# Altium PCB PCB1.PcbDoc (part 2 of 3) (continued)
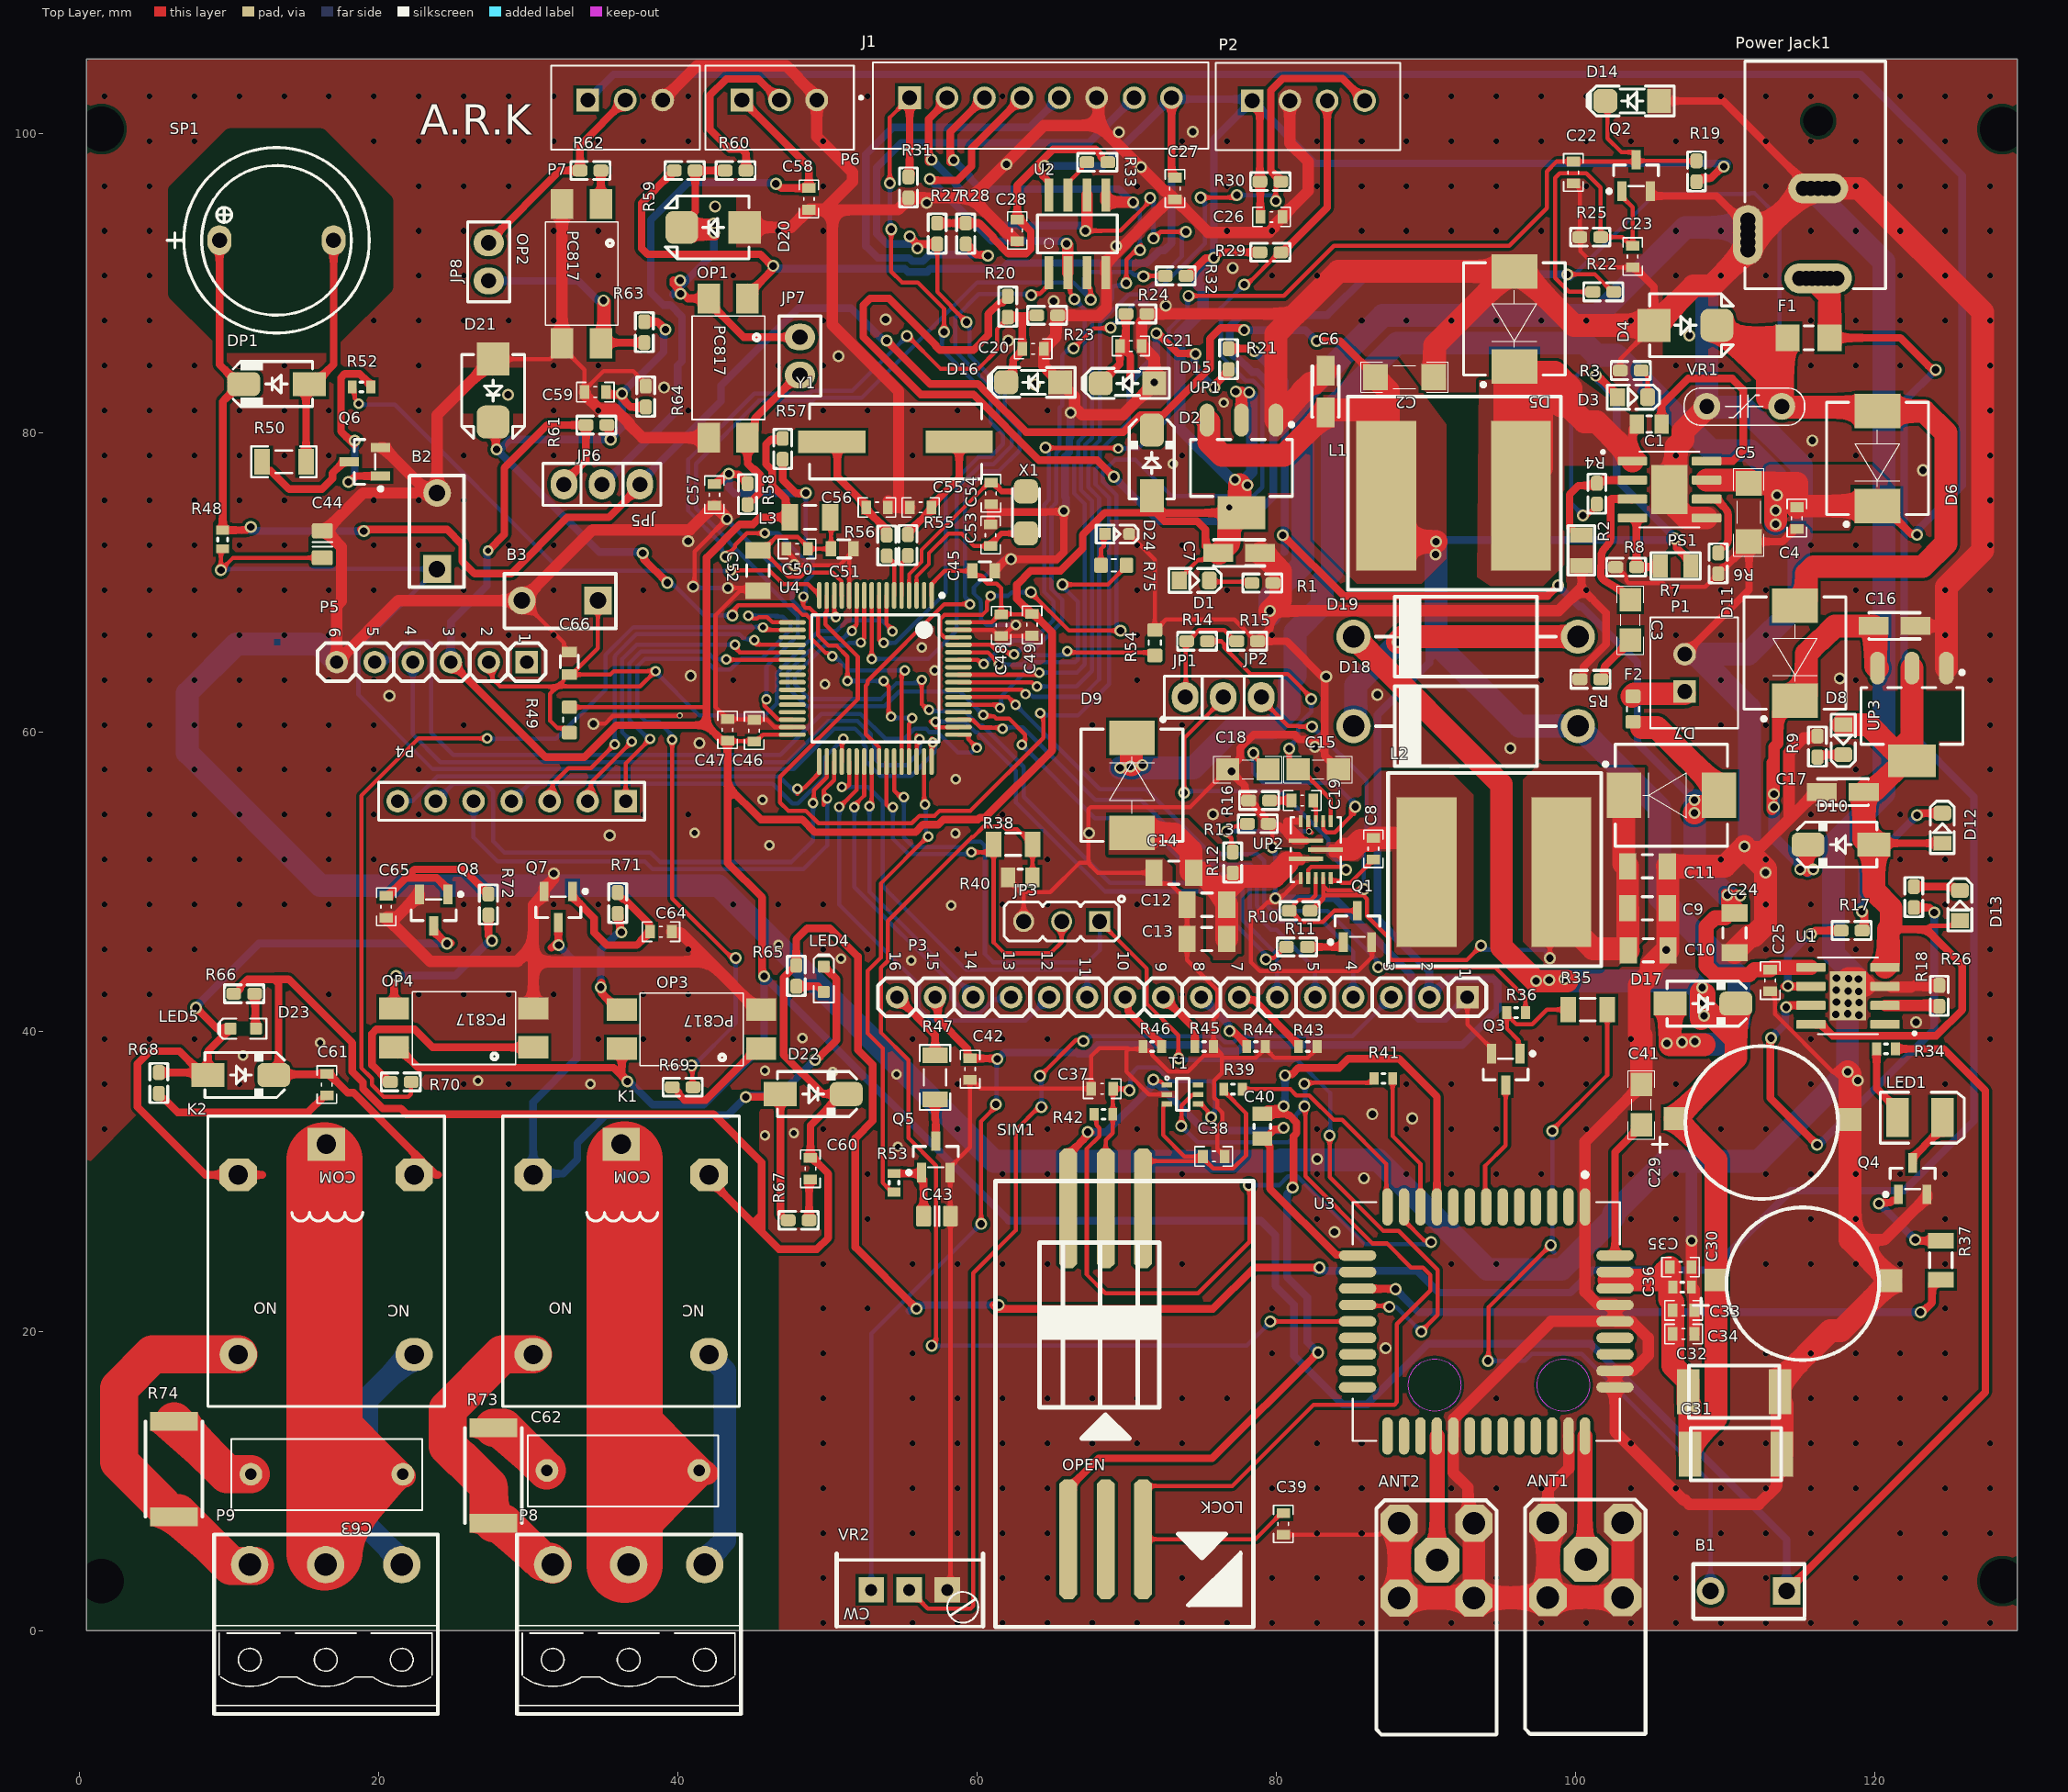
[diagram p0: Top Layer view]
## Nets (pads, with @x,y where several pads share a name; then routed paths per layer and width w, separated by ;. In a path a pad name is that pad's centre, name@x,y a point inside that pad or via, vN(x,y) a via of type N, cw(c..) or ccw(c..) an arc to the next point about the centre after c; other vN are vias at no path point) (continued)
  Top Layer w0.508: C53.1@60.909,73.902 60.922,73.915 60.922,74.574 ; C54.1@60.922,75.234 60.922,74.574 ; C45.1@61.177,70.79 v2@62.116,71.729 ; v2(62.276,71.569) 65.346,71.569 65.803,72.026 v2(65.803,74.799) 65.747,74.743 64.735,74.743 ; 64.618,74.727 61.074,74.727 60.922,74.574 ; R15.1@78.754,66.091 80.696,66.091 83.236,63.551 83.236,58.776 ; R15.1@79,66.337 79.562,66.898 v2(79.562,68.128) ; R13.1@79.465,53.899 79.365,53.899 79.219,54.045 79.219,54.357 78.599,54.977 78.599,55.102 78.253,55.448 R16.2@78.153,55.448 78.053,55.448 77.907,55.594 77.907,56.43 76.805,57.531 C18.1@76.755,57.531 77.226,58.002 77.29,58.002 77.588,58.3 77.588,58.949 78.481,59.842 81.238,59.842 81.548,59.532 82.479,59.532 83.236,58.776 ; R13.1@79.622,53.753 80.207,53.753 81.084,52.876 81.084,52.868 81.186,52.767 UP2.7@81.986,52.767 ; 80.708,53.892 UP2.7@81.694,52.906 ; 80.708,54.067 81.407,54.067 ; C15.1@84.154,57.531 84.104,57.531 83.633,58.002 83.633,58.052 83.236,58.449 83.236,58.776 ; R5.2@100.29,63.551 100.39,63.551 100.536,63.697 100.536,64.392 102.032,65.888 102.032,67.996 100.381,69.647 R2.2@100.381,71.145 ; C23.1@103.81,91.071 103.935,91.071 105.24,89.765 D4.1@105.24,87.198 ; Q2.2@104.988,96.156 104.988,95.877 105.034,95.831 109.412,95.831 111.505,93.738 ; D14.1@105.584,102.184 109.859,102.184 115.705,96.338 ; P1.2@107.29,65.227 111.582,69.52 C5.1@111.582,72.751 ; R6.2@109.525,70.598 109.525,70.698 109.871,71.044 109.996,71.044 110.961,72.009 110.961,72.18 111.532,72.751 C5.1@111.582,72.751 ; C4.1@114.783,73.595 114.658,73.595 113.814,72.751 C5.1@111.582,72.751 ; U1.9@119.069,42.883 U1.3@119.838,42.883 ; U1.3@119.99,43.035 U1.3@120.675,43.035 U1.3@121.107,43.035
  Top Layer w0.762: C44.1@16.256,73.468 C44.1@16.456,73.468 ; Q6.2@20.151,79.025 20.339,79.025 B2.2@23.159,76.205 ; Q8.2@22.748,49.183 22.748,48.995 22.667,48.914 22.479,48.914 21.246,47.681 20.579,47.681 C65.1@20.523,47.625 20.536,47.625 23.457,44.704 29.288,44.704 30.355,45.771 ; D21.1@27.673,84.939 23.927,81.193 B2.2@23.927,75.997 18.985,75.997 C44.1@16.456,73.468 ; OP4.2@30.355,41.559 30.355,44.679 ; v2(31.722,50.578) 31.715,50.571 31.715,50.21 31.079,49.574 Q7.2@31.079,49.386 31.079,49.198 30.355,48.474 30.355,45.771 ; OP2.3@32.273,85.989 OP2.2@32.273,95.289 ; C59.1@33.773,82.739 33.829,82.683 33.829,82.536 34.773,81.592 35.824,81.592 36.768,80.648 36.768,80.561 37.64,79.689 OP1.3@42.073,79.689 ; P7.3@39,102.246 41.275,104.521 47.269,104.521 48.08,103.711 48.08,103.668 49.3,102.448 P6.3@49.3,102.246 49.3,99.798 51.678,97.42 51.678,96.789 49.86,94.97 48.816,94.97 47.585,93.739 D20.1@44.473,93.739 ; C64.1@39.612,46.685 39.612,46.672 39.668,46.616 40.186,46.616 42.124,44.679 ; v2(43.286,74.258) 43.279,74.266 43.279,74.34 42.467,75.152 C57.1@42.454,75.152 42.441,75.152 40.821,73.533 34.315,73.533 B3.2@29.591,68.809 21.336,68.809 P5.6@17.221,64.694 17.221,68.456 17.537,68.772 17.537,72.387 C44.1@16.456,73.468 ; OP3.2@45.569,41.483 45.319,41.483 42.124,44.679 ; C58.1@48.773,94.914 50.343,94.914 ; C56.1@54.077,75.463 54.508,75.032 C55.1@55.511,75.032 ; 54.762,75.463 54.762,82.804 50.343,87.224 50.343,94.914 ; C28.1@62.688,92.814 62.675,92.814 62.131,93.358 61.997,93.358 59.642,95.713 ; J1.6@68,102.4 68.143,102.257 68.143,100.552 ; v2(79.562,68.128) 98.862,68.128 100.381,69.647 ; P2.2@80.9,102.2 80.9,99.364 82.144,98.12 82.144,96.19 80.404,94.45 C26.1@80.404,94.437 80.404,94.424 79.86,93.88 79.86,93.747 79.519,93.406 75.448,93.406 73.241,95.613 C27.1@73.228,95.613 ; 81.471,88.125 81.309,87.964 R24.2@71.353,87.964 71.253,87.964 71.234,87.945 71.234,87.638 71.003,87.407 C21.1@71.003,85.814 71.003,85.801 71.059,85.745 71.072,85.745 71.853,84.964 D15.1@71.853,83.314 69.769,81.229 67.005,81.229 66.512,81.723 66.512,82.43 D16.1@65.554,83.388 64.479,84.463 C20.1@64.479,85.623 64.479,85.636 65.275,86.432 65.275,87.84 65.294,87.859 R23.2@65.394,87.859 68.123,87.859 68.656,88.392 68.656,90.664 U2.4@68.616,90.704 68.616,91.342 72.83,95.557 73.172,95.557 C27.1@73.228,95.613 ; ANT2.1@93.205,7.166 92.808,7.563 92.808,9.559 91.831,10.537 U3.27@91.831,13 91.862,13.031 91.862,14.148 98.364,20.65 U3.40@102.631,20.65 ; ANT1.1@98.149,7.21 98.149,9.427 99.542,10.82 99.542,12.989 U3.34@99.531,13 ; C41.2@104.394,36.478 104.394,36.428 100.631,32.665 U3.1@100.631,28.3 100.631,22.634 101.483,21.781 102.6,21.781 U3.41@102.631,21.75 U3.40@102.631,20.65 ; v2@107.721,25.793 107.735,25.779 C35.1@107.735,24.282 ; C35.1@107.735,24.282 C36.2@107.734,22.936 107.771,22.936 107.938,22.769 C33.1@107.938,21.387 C34.1@107.938,19.812 ; v2(111.274,52.373) 111.281,52.381 112.43,52.381 114.403,54.354 ; C31.-@113.789,11.784 113.42,11.415 113.42,9.61 112.243,8.433 107.594,8.433 107.3,8.727 107.199,8.727 102.631,13.295 U3.36@102.631,16.25 U3.37@102.631,17.35 102.662,17.381 103.854,17.381 104.851,18.379 104.851,19.546 103.778,20.619 102.662,20.619 U3.40@102.631,20.65 ; R9.2@116.154,59.755 116.154,59.655 116.135,59.636 115.237,59.636 114.275,58.674 114.275,54.483 114.403,54.354 ; C17.1@116.456,56.007 116.056,56.007 114.403,54.354 ; 118.333,26.111 120.635,26.111 123.469,28.946 Q4.2@123.469,29.134 ; U1.3@121.107,42.981 122.403,42.981 ; C16.1@122.71,67.107 124.678,67.107 124.77,67.014 ; 122.776,43.1 R26.1@124.3,43.1 ; 30.355,44.679 42.124,44.679 ; 30.355,44.679 30.355,45.771 ; 50.343,94.914 54.724,94.914 55.423,95.613 R31.1@55.423,95.713 59.642,95.713 ; 59.642,95.713 64.481,100.552 68.143,100.552 ; 68.143,100.552 72.538,96.157 72.671,96.157 73.215,95.613 C27.1@73.228,95.613
  Top Layer w1.524: C7.1@78.921,71.984 78.997,71.984 79.327,71.653 79.397,71.653 80.289,70.761 80.289,68.855 v2(79.562,68.128) ; UP1.1@79.969,80.865 UP1.1@79.969,80.941 ; 81.309,87.964 79.969,86.624 UP1.1@79.969,80.941 ; 81.471,88.125 84.15,90.805 D5.1@95.535,90.805 ; C6.1@83.285,84.169 83.285,84.093 82.523,83.331 82.286,83.331 81.723,82.767 81.723,82.695 UP1.1@79.969,80.941 ; ANT2.1@88.205,7.166 ANT2.1@88.205,2.166 ANT2.1@93.205,2.166 ANT2.1@93.207,2.168 ; C2.1@90.52,83.744 90.583,83.807 90.583,85.852 D5.1@95.535,90.805 ; ANT2.1@93.205,7.166 93.207,7.164 ANT2.1@93.207,2.168 ; ANT1.1@98.149,7.21 ANT1.1@98.149,2.21 ; ANT1.1@103.149,7.21 103.151,7.208 103.151,2.212 ANT1.1@103.149,2.21 ANT1.1@98.149,2.21 ; C41.2@104.394,36.478 104.394,39.714 104.247,39.861 104.247,43.083 105.063,43.899 105.063,44.402 106.102,45.441 C10.1@106.176,45.441 106.151,45.466 106.151,51.029 C11.1@106.125,51.054 109.954,51.054 v2(111.274,52.373) 111.274,52.295 112.686,50.883 v2(112.686,50.636) 112.686,47.193 111.89,46.397 111.656,46.397 110.617,45.358 C24.1@110.617,45.284 ; VR1.1@108.717,81.727 VR1.1@108.77,81.779 108.77,81.705 107.177,80.112 107.177,79.546 106.717,79.085 106.717,77.113 106.184,76.581 105.918,76.581 PS1.9@106.274,76.225 106.717,75.782 106.717,75.021 107.409,74.328 108.741,74.328 PS1.5@108.749,74.32 ; 111.505,93.238 111.505,92.738 ; 111.752,92.95 111.505,92.738 ; 112.246,93.373 115.417,96.091 115.705,96.338 116.705,96.338 118.952,96.338 127.203,88.087 127.203,72.161 124.77,69.728 124.77,67.014 UP3.1@124.77,64.3 ; C31.-@113.789,11.784 113.789,15.097 113.662,15.224 C32.-@113.662,15.95 113.662,16.676 117.014,20.028 117.736,20.028 C30.-@121.077,23.368 118.333,26.111 C29.-@118.333,34.138 118.333,37.178 v2(118.19,37.322) ; v4(118.237,43.561) 118.817,43.561 U1.9@118.873,43.506 ; U1.9@119.089,43.289 U1.9@119.282,43.097 ; ANT2.1@93.207,2.168 93.227,2.188 98.128,2.188 ANT1.1@98.149,2.21 ; D5.1@95.535,90.805 D5.1@95.91,90.805 96.285,90.805 99.892,87.198 D4.1@105.24,87.198 107.884,89.842 109.109,89.842 111.505,92.238 111.505,92.738
  Bottom Layer w0.279: v2(41.036,69.732) 41.121,69.647 v2@43.282,69.647 ; v2@43.307,74.168 46.304,71.171 v2(47.803,71.171) ; v2(62.276,71.569) 61.663,71.569 59.792,69.698 59.792,69.283 60.249,68.825 60.249,68.68 60.261,68.669 60.261,67.552 60.63,67.183 62.4,67.183 v3@62.404,67.187 ; v2(79.93,48.917) v2@79.93,52.15
  Bottom Layer w0.508: v2@65.811,74.803 65.811,74.886 65.951,75.026 65.951,75.672 65.887,75.737 65.887,78.43 66.167,78.711 66.167,79.663 66.255,79.751 v2(66.255,81.372) ; v2(79.93,48.917) 83.9,48.917 89.002,43.815 89.002,41.377 89.51,40.869 91.313,40.869 P3.1@92.761,42.316
  Bottom Layer w0.762: 107.594,31.344 107.747,31.191 v2(107.747,26.035)
  Bottom Layer w1.524: P5.6@17.221,64.694 16.002,65.913 10.516,65.913 7.239,62.636 7.239,58.649 16.129,49.759 42.723,49.759 61.138,31.344 80.229,31.344 80.327,31.442 86.789,31.442 94.111,24.121 99.059,24.121 102.536,27.598 102.536,27.866 106.013,31.344 107.594,31.344 112.212,31.344 v2@118.184,37.315 ; v2@79.562,67.843 v2(79.562,68.128) 79.562,69.02 81.79,71.248 81.79,82.526 87.119,87.855 101.444,87.855 107.327,93.738 111.505,93.738 ; P1.2@107.29,65.227 P1.2@108.026,65.227 ; 111.505,92.738 111.505,92.238 108.77,89.503 VR1.1@108.77,81.779 108.823,81.727 111.19,81.727 115.095,77.821 115.095,73.189 114.91,73.003 114.91,68.605 111.531,65.227 P1.2@108.026,65.227 ; v2@111.608,52.373 111.608,61.646 P1.2@108.026,65.227 ; 115.705,96.338 120.599,91.444 120.599,55.931 117.236,52.568 117.236,45.184 v4(118.904,43.516) ; v4@118.161,41.911 118.161,37.338 v2@118.184,37.315 ; v4@118.161,41.987 v4@118.161,43.561 ; v2(118.19,37.322) v2@118.184,37.315
  other v1: 49.705,0.505 52.705,0.505 55.705,0.505 58.705,0.505 61.705,0.505 64.705,0.505 67.705,0.505 70.705,0.505 73.705,0.505 76.705,0.505 79.705,0.505 82.705,0.505 85.705,0.505 88.705,0.505 91.705,0.505 94.705,0.505 97.705,0.505 100.705,0.505 103.705,0.505 106.705,0.505 109.705,0.505 112.705,0.505 115.705,0.505 118.705,0.505 121.705,0.505 124.705,0.505 127.705,0.505 49.705,3.505 61.705,3.505 64.705,3.505 73.705,3.505 76.705,3.505 79.705,3.505 82.705,3.505 85.705,3.505 94.705,3.505 106.705,3.505 112.705,3.505 118.705,3.505 121.705,3.505 124.705,3.505 49.705,6.505 55.705,6.505 58.705,6.505 61.705,6.505 64.705,6.505 82.705,6.505 85.705,6.505 106.705,6.505 109.705,6.505 112.705,6.505 115.705,6.505 121.705,6.505 124.705,6.505 127.705,6.505 49.705,9.505 55.705,9.505 58.705,9.505 61.705,9.505 64.705,9.505 79.705,9.505 82.705,9.505 85.705,9.505 88.705,9.505 91.705,9.505 94.705,9.505 97.705,9.505 103.705,9.505 106.705,9.505 109.705,9.505 112.705,9.505 115.705,9.505 118.705,9.505 124.705,9.505 127.705,9.505 49.705,12.505 55.705,12.505 58.705,12.505 61.705,12.505 64.705,12.505 67.705,12.505 70.705,12.505 73.705,12.505 82.705,12.505 85.705,12.505 103.705,12.505 109.705,12.505 112.705,12.505 115.705,12.505 118.705,12.505 121.705,12.505 127.705,12.505 49.705,15.505 55.705,15.505 58.705,15.505 61.705,15.505 64.705,15.505 67.705,15.505 70.705,15.505 73.705,15.505 76.705,15.505 94.705,15.505 115.705,15.505 118.705,15.505 121.705,15.505 124.705,15.505 49.705,18.505 55.705,18.505 79.705,18.505 112.705,18.505 115.705,18.505 118.705,18.505 121.705,18.505 124.705,18.505 49.705,21.505 52.705,21.505 79.705,21.505 124.705,21.505 49.705,24.505 55.705,24.505 58.705,24.505 61.705,24.505 64.705,24.505 73.705,24.505 91.705,24.505 94.705,24.505 112.705,24.505 115.705,24.505 118.705,24.505 121.705,24.505 124.705,24.505 52.705,27.505 82.705,27.505 103.705,27.505 106.705,27.505 115.705,27.505 118.705,27.505 124.705,27.505 52.705,30.505 61.705,30.505 64.705,30.505 73.705,30.505 82.705,30.505 88.705,30.505 91.705,30.505 94.705,30.505 97.705,30.505 100.705,30.505 103.705,30.505 106.705,30.505 112.705,30.505 115.705,30.505 118.705,30.505 121.705,30.505 124.705,30.505 1.705,33.505 49.705,33.505 58.705,33.505 61.705,33.505 64.705,33.505 70.705,33.505 82.705,33.505 88.705,33.505 91.705,33.505 94.705,33.505 100.705,33.505 109.705,33.505 112.705,33.505 1.705,36.505 10.705,36.505 25.705,36.505 28.705,36.505 58.705,36.505 88.705,36.505 91.705,36.505 97.705,36.505 100.705,36.505 106.705,36.505 115.705,36.505 121.705,36.505 124.705,36.505 1.705,39.505 4.705,39.505 7.705,39.505 34.705,39.505 37.705,39.505 40.705,39.505 43.705,39.505 55.705,39.505 61.705,39.505 64.705,39.505 97.705,39.505 100.705,39.505 103.705,39.505 115.705,39.505 127.705,39.505 1.705,42.505 4.705,42.505 16.705,42.505 22.705,42.505 25.705,42.505 28.705,42.505 31.705,42.505 37.705,42.505 40.705,42.505 73.705,42.505 127.705,42.505 1.705,45.505 4.705,45.505 7.705,45.505 25.705,45.505 28.705,45.505 40.705,45.505 49.705,45.505 52.705,45.505 58.705,45.505 112.705,45.505 115.705,45.505 118.705,45.505 127.705,45.505 1.705,48.505 4.705,48.505 7.705,48.505 10.705,48.505 13.705,48.505 16.705,48.505 25.705,48.505 28.705,48.505 31.705,48.505 34.705,48.505 43.705,48.505 46.705,48.505 49.705,48.505 61.705,48.505 64.705,48.505 70.705,48.505 112.705,48.505 115.705,48.505 124.705,48.505 127.705,48.505 1.705,51.505 4.705,51.505 7.705,51.505 10.705,51.505 13.705,51.505 16.705,51.505 19.705,51.505 64.705,51.505 109.705,51.505 112.705,51.505 121.705,51.505 124.705,51.505 127.705,51.505 1.705,54.505 4.705,54.505 7.705,54.505 10.705,54.505 13.705,54.505 16.705,54.505 19.705,54.505 22.705,54.505 37.705,54.505 40.705,54.505 61.705,54.505 76.705,54.505 115.705,54.505 121.705,54.505 127.705,54.505 1.705,57.505 4.705,57.505 7.705,57.505 10.705,57.505 13.705,57.505 16.705,57.505 19.705,57.505 22.705,57.505 67.705,57.505 82.705,57.505 118.705,57.505 127.705,57.505 1.705,60.505 4.705,60.505 7.705,60.505 10.705,60.505 13.705,60.505 16.705,60.505 19.705,60.505 25.705,60.505 67.705,60.505 73.705,60.505 88.705,60.505 109.705,60.505 112.705,60.505 127.705,60.505 1.705,63.505 4.705,63.505 7.705,63.505 10.705,63.505 13.705,63.505 16.705,63.505 19.705,63.505 43.705,63.505 70.705,63.505 97.705,63.505 109.705,63.505 112.705,63.505 118.705,63.505 127.705,63.505 1.705,66.505 4.705,66.505 7.705,66.505 10.705,66.505 13.705,66.505 16.705,66.505 25.705,66.505 28.705,66.505 31.705,66.505 70.705,66.505 79.705,66.505 106.705,66.505 109.705,66.505 112.705,66.505 124.705,66.505 127.705,66.505 1.705,69.505 4.705,69.505 7.705,69.505 10.705,69.505 13.705,69.505 16.705,69.505 19.705,69.505 25.705,69.505 31.705,69.505 37.705,69.505 70.705,69.505 76.705,69.505 100.705,69.505 106.705,69.505 109.705,69.505 112.705,69.505 118.705,69.505 124.705,69.505 127.705,69.505 1.705,72.505 4.705,72.505 7.705,72.505 10.705,72.505 13.705,72.505 19.705,72.505 22.705,72.505 28.705,72.505 31.705,72.505 52.705,72.505 70.705,72.505 73.705,72.505 115.705,72.505 118.705,72.505 127.705,72.505 1.705,75.505 4.705,75.505 7.705,75.505 10.705,75.505 13.705,75.505 16.705,75.505 19.705,75.505 22.705,75.505 25.705,75.505 127.705,75.505 1.705,78.505 4.705,78.505 7.705,78.505 10.705,78.505 13.705,78.505 16.705,78.505 22.705,78.505 25.705,78.505 31.705,78.505 34.705,78.505 55.705,78.505 73.705,78.505 106.705,78.505 115.705,78.505 118.705,78.505 127.705,78.505 1.705,81.505 4.705,81.505 7.705,81.505 10.705,81.505 13.705,81.505 16.705,81.505 22.705,81.505 31.705,81.505 34.705,81.505 40.705,81.505 46.705,81.505 49.705,81.505 52.705,81.505 55.705,81.505 58.705,81.505 64.705,81.505 127.705,81.505 1.705,84.505 4.705,84.505 7.705,84.505 10.705,84.505 13.705,84.505 19.705,84.505 22.705,84.505 31.705,84.505 34.705,84.505 46.705,84.505 49.705,84.505 106.705,84.505 109.705,84.505 115.705,84.505 118.705,84.505 121.705,84.505 127.705,84.505 1.705,87.505 4.705,87.505 19.705,87.505 22.705,87.505 25.705,87.505 28.705,87.505 31.705,87.505 49.705,87.505 85.705,87.505 88.705,87.505 91.705,87.505 94.705,87.505 97.705,87.505 100.705,87.505 103.705,87.505 115.705,87.505 118.705,87.505 121.705,87.505 124.705,87.505 127.705,87.505 1.705,90.505 4.705,90.505 22.705,90.505 25.705,90.505 34.705,90.505 43.705,90.505 79.705,90.505 82.705,90.505 106.705,90.505 109.705,90.505 112.705,90.505 121.705,90.505 124.705,90.505 127.705,90.505 1.705,93.505 4.705,93.505 22.705,93.505 25.705,93.505 31.705,93.505 34.705,93.505 46.705,93.505 49.705,93.505 76.705,93.505 79.705,93.505 85.705,93.505 88.705,93.505 91.705,93.505 94.705,93.505 97.705,93.505 106.705,93.505 109.705,93.505 115.705,93.505 118.705,93.505 121.705,93.505 124.705,93.505 127.705,93.505 1.705,96.505 4.705,96.505 22.705,96.505 25.705,96.505 28.705,96.505 37.705,96.505 49.705,96.505 70.705,96.505 76.705,96.505 82.705,96.505 85.705,96.505 88.705,96.505 91.705,96.505 94.705,96.505 100.705,96.505 112.705,96.505 118.705,96.505 121.705,96.505 124.705,96.505 127.705,96.505 4.705,99.505 7.705,99.505 19.705,99.505 22.705,99.505 25.705,99.505 28.705,99.505 31.705,99.505 34.705,99.505 37.705,99.505 40.705,99.505 49.705,99.505 73.705,99.505 76.705,99.505 82.705,99.505 85.705,99.505 88.705,99.505 91.705,99.505 94.705,99.505 97.705,99.505 100.705,99.505 103.705,99.505 106.705,99.505 109.705,99.505 112.705,99.505 115.705,99.505 118.705,99.505 121.705,99.505 124.705,99.505 1.705,102.505 4.705,102.505 7.705,102.505 10.705,102.505 13.705,102.505 16.705,102.505 19.705,102.505 22.705,102.505 25.705,102.505 28.705,102.505 31.705,102.505 37.705,102.505 40.705,102.505 52.705,102.505 61.705,102.505 88.705,102.505 91.705,102.505 94.705,102.505 97.705,102.505 100.705,102.505 109.705,102.505 112.705,102.505 115.705,102.505 118.705,102.505 121.705,102.505 124.705,102.505 127.705,102.505
  other v2: 87.314,18.857 83.884,26.619 85.865,30.226 82.741,31.496 89.091,34.213 86.424,34.493 118.851,36.737 122.74,40.628 106.054,45.471 35.46,53.11 67.492,53.27 75.772,54.54 77.012,57.4 88.802,58.883 95.639,58.951 82.581,59.046 41.455,59.283 20.739,62.443 86.759,62.517 117.647,63.614 83.329,63.723 40.871,63.778 40.704,72.78 123.211,77.513 115.828,79.504 28.662,82.551 39.097,83.036 63.873,83.244 71.851,83.389 50.75,85.131 62.095,86.165 107.601,86.525 53.891,87.587 72.623,88.506 65.118,88.806 77.079,91.035 69.297,92.503 42.51,95.141 56.647,95.371 70.963,97.774 61.961,97.957 69.482,100.108 74.412,100.129
  other v3: 54.704,32.326 45.839,33.088 47.77,33.24 34.183,36.502 26.649,36.738 54.628,37.152 50.36,37.304 45.839,37.406 10.967,38.407 16.098,39.27 48.328,39.59 55.611,44.772 50.919,44.874 46.73,45.798 58.278,48.43 46.132,52.459 58.565,53.256 41.14,53.281 45.679,55.499 58.59,56.888 49.852,63.23 57.169,64.144 56.314,65.685 73.09,77.946 76.494,82.035
  other v4: 118.929,41.118 117.379,41.168 118.178,41.207 118.216,41.911 118.948,41.961 117.431,41.987 118.919,42.695 118.214,42.724 117.405,42.774 117.424,43.586
  other v5: 40.146,61.133
I2C_SCL: P2.4 R30.1 U4.61 | length 62.3
  Top Layer w0.279: U4.61@58.763,65.852 60.912,65.852 61.308,65.456 61.9,65.456 62.179,65.176 v3@62.459,65.176 ; v2(66.46,85.655) 67.8,86.995 v2@68.758,86.995 ; v2(74.949,95.729) 77.238,95.729 v2@77.521,96.012 ; v2(79.961,95.507) 79.961,96.496 79.981,96.516 79.981,96.544 80.287,96.85 R30.1@80.315,96.85
  Top Layer w0.508: R30.1@80.315,96.85 79.629,97.536 79.629,102.895 80.416,103.683 84.417,103.683 P2.4@85.9,102.2
  Bottom Layer w0.279: v3(62.471,65.215) 62.585,65.215 63.016,65.646 63.937,65.646 65.684,67.394 65.684,68.861 64.975,69.571 64.975,75.016 65.293,75.335 65.293,78.676 65.516,78.899 65.516,81.678 65.684,81.847 65.684,85.192 v2@66.192,85.7 ; v2(68.937,87.028) 70.699,88.789 71.351,88.789 75.232,92.67 75.232,95.729 v2@75.232,95.91 ; v2(77.364,95.895) 79.721,95.895 v2@79.908,95.707
I2C_SDA: P2.3 R29.2 U4.62 | length 70.1
  Top Layer w0.279: U4.62@58.763,66.352 58.759,66.356 57.817,66.356 57.523,66.649 57.523,67.554 57.81,67.841 60.348,67.841 60.655,68.148 60.655,68.707 v3@60.96,69.012 ; v2@63.678,69.266 66.146,66.798 v2(69.59,66.798) ; v2@77.943,89.814 80.204,92.075 R29.2@80.304,92.075 R29.2@80.404,92.075
  Top Layer w0.508: R29.2@80.404,92.075 83.4,95.071 P2.3@83.4,102.2
  Bottom Layer w0.279: v3(60.924,69.125) 62.084,69.125 62.322,69.363 v2(63.608,69.363) ; v2(69.59,66.798) 69.317,67.071 69.317,75.858 68.398,76.777 68.398,77.39 69.215,78.207 70.587,78.207 73.007,75.786 78.47,75.786 79.072,76.389 79.072,82.877 78.462,83.488 77.972,83.488 76.292,85.167 76.292,88.356 v2(77.852,89.916)
LCD_D4: P3.11 U4.37 | length 28.5
  Top Layer w0.279: v3@50.902,56.261 51.206,56.261 51.463,56.518 U4.37@51.463,58.052
  Bottom Layer w0.279: v3(50.963,56.349) 52.719,56.349 53.696,55.372 53.696,49.733 54.356,49.073 59.272,44.157 66.918,44.157 67.361,43.713 P3.11@67.361,42.316
LCD_D5: P3.12 U4.38 | length 28.8
  Top Layer w0.279: v3@50.851,55.042 51.963,56.154 U4.38@51.963,58.052
  Bottom Layer w0.279: v3(50.801,55.02) 50.801,48.487 56.134,43.155 56.134,42.791 56.111,42.768 56.111,41.577 56.941,40.747 63.252,40.747 P3.12@64.821,42.316
LCD_D6: P3.13 U4.39 | length 23.7
  Top Layer w0.279: v3@51.642,54.962 52.463,55.784 U4.39@52.463,58.052
  Bottom Layer w0.279: v3(51.811,54.996) 51.811,49.67 58.291,43.19 58.291,42.226 59.289,41.227 60.192,41.227 61.112,42.146 62.111,42.146 P3.13@62.281,42.316
LCD_D7: P3.14 U4.40 | length 18.7
  Top Layer w0.279: v3(52.812,55.056) 52.812,55.17 52.963,55.321 U4.40@52.963,58.052
  Bottom Layer w0.279: v3(52.812,55.056) 52.812,49.346 P3.14@59.842,42.316
LCD_EN: P3.5 U4.11 | length 56.5
  Top Layer w0.279: v3@51.664,66.904 51.963,67.203 U4.11@51.963,69.152 ; v3(60.412,61.161) 60.492,61.081 61.126,61.081 61.271,60.935 62.128,60.935 63.221,59.842 63.221,59.284 v3@63.017,59.08
  Bottom Layer w0.279: v3@51.562,66.787 51.069,66.294 49.768,66.294 49.746,66.272 49.602,66.272 47.346,64.016 47.346,63.017 48.616,61.747 53.823,61.747 54.813,62.738 58.852,62.738 v3@60.452,61.138 ; v3(62.991,59.17) 67.881,54.28 70.841,54.28 74.625,50.495 77.865,50.495 78.223,50.137 78.223,48.222 79.632,46.812 80.01,46.812 82.601,44.221 P3.5@82.601,42.316
  other v3: 51.638,66.787
LCD_MCU_BKLT: R53.1 U4.47 | length 31.5
  Top Layer w0.279: R53.1@54.458,29.286 54.333,29.286 53.693,29.926 53.693,38.916 52.705,39.903 52.705,44.073 53.571,44.939 53.571,49.903 v3@56.73,53.062 ; U4.47@56.463,58.052 56.463,55.094 v3@56.591,54.966
  Bottom Layer w0.279: v3@56.584,55.094 56.584,53.411 56.65,53.345 56.65,53.117 v3(56.73,53.037)
  other v3: 56.533,55.196
LCD_RS: P3.4 U4.51 | length 37.7
  Top Layer w0.279: U4.51@58.763,60.852 59.519,60.852 59.529,60.841 59.716,60.841 60.232,60.325 60.96,60.325 60.964,60.321 v3@61.717,60.321
  Bottom Layer w0.279: 61.194,60.337 63.057,60.337 67.894,55.499 70.942,55.499 75.26,51.181 78.283,51.181 78.702,50.762 78.702,48.42 79.751,47.371 83.109,47.371 85.141,45.339 P3.4@85.141,42.316
  other v3: 61.717,60.245
LCD_RW: P3.6 U4.10 | length 55.8
  Top Layer w0.279: v3@52.299,66.116 52.463,66.281 U4.10@52.463,69.152 ; v3(56.301,63.512) 56.301,61.885 v3@56.744,61.443
  Bottom Layer w0.279: v3@52.197,65.999 52.173,65.975 51.428,65.975 51.268,65.815 49.966,65.815 49.944,65.792 49.8,65.792 47.828,63.82 47.828,63.213 48.814,62.227 53.569,62.227 54.639,63.297 v3@56.286,63.297 ; v3@56.764,61.425 59.172,61.425 60.126,60.471 60.358,60.471 63.119,57.71 63.119,55.702 68.885,49.936 77.261,49.936 77.743,49.454 77.743,47.453 80.061,45.136 P3.6@80.061,42.316
  other v3: 56.79,61.501 52.248,65.999
MAIN_PWR_VOLTAGE: C20.2 D16.2 R20.2 R23.1 U4.14 | length 57.2
  Top Layer w0.279: v2(43.204,71.743) 43.839,72.377 43.839,72.52 44.623,73.304 v3@45.898,73.304 ; U4.14@50.463,69.152 50.463,67.495 v3@50.47,67.488 ; v2@55.321,86.538 57.556,84.303 60.096,84.303 61.35,85.557 61.35,86.941 62.052,87.643 R20.2@62.052,87.743
  Top Layer w0.508: D16.2@61.954,83.388 62.41,83.844 62.41,84.879 63.029,85.498 C20.2@63.029,85.623 63.029,87.795 63.023,87.801 ; R20.2@62.052,87.743 62.11,87.801 63.023,87.801 ; R23.1@63.994,87.859 63.936,87.801 63.023,87.801
  Bottom Layer w0.279: v2(43.204,71.743) 43.204,71.884 43.005,72.083 43.005,72.143 42.951,72.197 42.951,72.568 40.716,74.803 40.716,78.235 45.122,82.64 48.809,82.64 48.994,82.826 51.666,82.826 v2(55.321,86.481) ; v3(45.83,73.305) 46.715,73.305 48.543,71.477 48.543,70.742 47.65,69.85 47.65,68.827 48.685,67.793 v3@50.488,67.793
  other v3: 50.565,67.698
MCU_GSM_PWRKEY: R36.1 U4.54 | length 48.9
  Top Layer w0.279: U4.54@58.763,62.352 62.108,62.352 v3@62.535,61.925 ; v2(86.81,44.319) 94.619,44.319 96.647,42.291 R36.1@96.647,41.275
  Bottom Layer w0.279: v3(62.581,61.845) 68.216,56.21 71.306,56.21 75.65,51.867 78.74,51.867 79.182,51.425 79.182,48.619 79.718,48.082 83.414,48.082 86.792,44.704 v2@86.792,44.374
MCU_LED3: R75.1 U4.53 | length 20.2
  Top Layer w0.279: U4.53@58.763,61.852 61.415,61.852 v3@61.671,61.595 ; v2(65.714,69.878) 68.746,69.878 69.989,71.121 R75.1@69.989,71.171
  Bottom Layer w0.279: v3@61.61,61.608 61.61,62.411 63.887,64.688 65.225,64.688 66.562,64.688 66.726,64.851 66.726,68.742 65.714,69.754 v2(65.714,69.878)
  other v3: 61.54,61.642
MCU_NRST: B3.1 C66.2 P5.2 R49.1 U4.7 | length 53.2
  Top Layer w0.279: P5.2@27.381,64.694 27.615,64.46 27.615,63.597 28.143,63.068 31.967,63.068 ; R49.1@32.766,59.983 32.456,60.293 31.959,60.293 31.471,60.782 31.471,62.572 31.967,63.068 ; B3.1@34.671,68.809 34.671,65.623 C66.2@32.916,63.868 ; U4.7@53.963,69.152 53.963,67.246 v3@54.254,66.954 ; 31.967,63.068 32.406,63.507 32.406,63.657 32.616,63.868 C66.2@32.766,63.868 C66.2@32.916,63.868 ; 31.967,63.068 37.492,63.068 v3(38.519,64.095) 35.734,64.095 35.507,63.868 C66.2@32.916,63.868
  Bottom Layer w0.279: v3@38.456,64.11 41.427,61.138 45.84,61.138 46.621,61.919 46.621,63.97 49.428,66.777 50.619,66.777 51.319,67.477 53.641,67.477 v3(54.356,66.761)
MCU_PB: B2.1 C44.2 R48.2 U4.48 | length 80.6
  Top Layer w0.279: R48.2@9.601,72.263 9.482,72.144 v2(9.482,70.854) 10.297,71.668 C44.2@16.256,71.668 ; U4.48@56.963,58.052 56.963,59.579 v3@56.998,59.614
  Bottom Layer w0.279: v2@9.449,71.095 9.627,70.917 B2.1@23.927,70.917 18.671,65.661 18.671,62.507 23.641,57.537 47.751,57.537 50.475,60.261 51.837,60.261 52.419,59.68 52.419,59.206 52.57,59.055 52.57,58.061 53.533,57.098 55.6,57.098 57.184,58.683 v3@57.184,59.523
  other v3: 57.057,59.32
NetB1_2: B1.2 R35.1 | length 53.3
  Top Layer w0.279: v2@94.183,18.009 94.183,21.599 v2(98.333,25.748) ; v2@98.298,33.299 102.111,37.112 R35.1@102.111,41.478
  Bottom Layer w0.279: v2(94.132,18.018) 96.606,18.018 97.078,18.49 100.408,18.49 109.017,9.881 B1.2@109.017,2.642 ; v2(98.446,33.377) 98.446,25.379 98.603,25.222
NetC1_1: C1.1 PS1.8 | length 14.6
  Top Layer w0.508: C1.1@105.74,80.594 105.74,81.864 107.518,83.642 110.465,83.642 111.201,82.906 111.201,78.816 110.515,78.13 PS1.8@108.749,78.13